# Altium PCB PCB_TEST.PcbDoc (part 4 of 6) (continued)
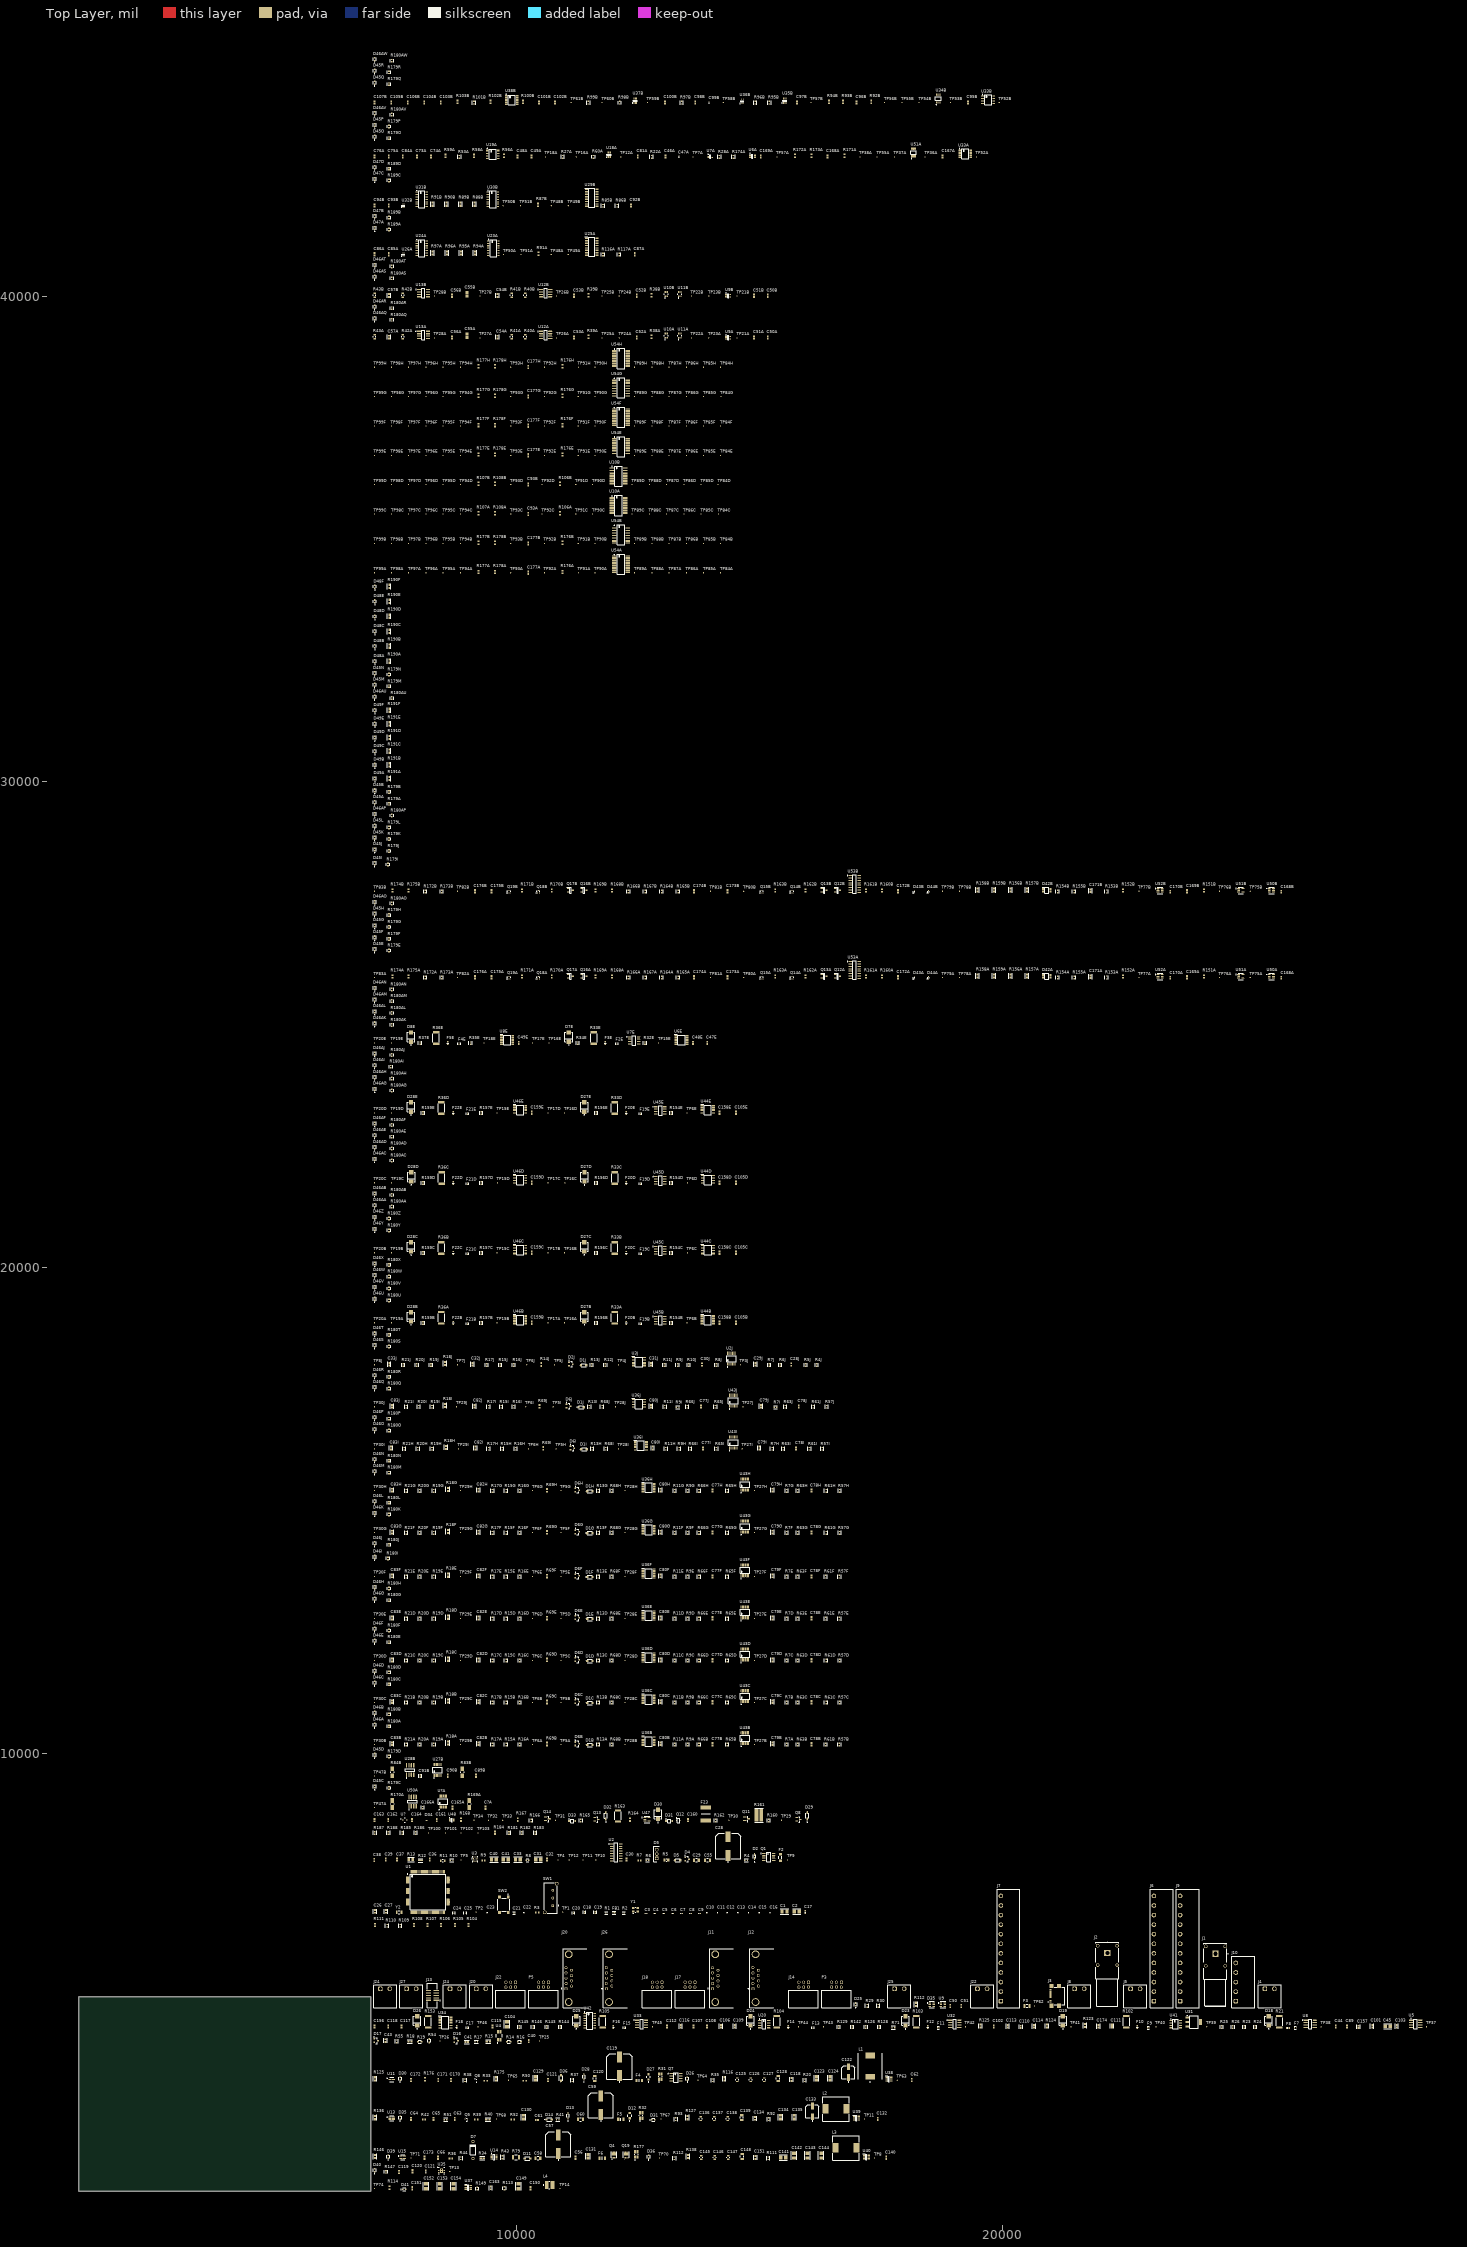
[diagram p0: Top Layer view]
## Footprints (in the part's own frame and the unit in brackets; to place one, negate y for a bottom-side part, rotate by r counter-clockwise, add the part's x,y. Pads: shape width x height; smd on the part's side, far side on the other; paste and mask are expansions set on the pad) (continued)
  silkscreen extent -4.37,-2.5 1.5,2.5, body extent -3.9,-2.75 3.9,2.75, height 0.25
FP-RK73H2E-MFG [mm]
  rect 0.9x2.3 smd paste+0 mask+0: 1(-1.55,0) 2(1.55,0)
  silkscreen extent -0.72,-1.4 0.72,1.4, body extent -2.1,-1.5 2.1,1.5, height 0.25
FP-RMCF0603-MFG [mm]
  rect 0.65x0.9 smd paste+0 mask+0: 1(-0.725,0) 2(0.725,0)
  silkscreen extent -0.85,-0.88 0.85,0.88, body extent -1.15,-0.58 1.15,0.58, height 0.25
FP-RN73R1J-IPC_B [mil]
  rect 37.62x35.91 smd paste+0 mask+0: 1(-30.52,0) 2(30.52,0)
  silkscreen extent -49,-34 49,34, body extent -59,-28 59,28, height 10
FP-RN73R2A-IPC_A [mil]
  rect 49.42x61.27 smd paste+0 mask+0: 1(-40.37,0) 2(40.37,0)
  silkscreen extent -65,-46 65,46, body extent -85,-50 85,50, height 10
FP-RNCP0603-IPC_B [mil]
  rect 45.4x35.91 smd paste+0 mask+0: 1(-25.65,0) 2(25.65,0)
  silkscreen extent -48,-34 48,34, body extent -58,-28 58,28, height 10
FP-RT0603-IPC_C [mil]
  rect 25.93x31.97 smd paste+0 mask+0: 1(-26.64,0) 2(26.64,0)
  silkscreen extent -40,-33 40,33, body extent -44,-22 44,22, height 10
FP-RT0805-MFG [mm]
  rect 0.9x1.2 smd paste+0 mask+0: 1(-1.05,0) 2(1.05,0)
  silkscreen extent -0.23,-0.67 0.23,0.67, body extent -1.6,-0.77 1.6,0.77, height 0.25
FP-RUX0012A-MFG [mm]
  rrect25% 1.05x0.4 smd paste+0 mask+0: 1(-0.675,0.35) 2(-0.675,-0.35) 7(0.675,-0.35) 8(0.675,0.35)
  rrect50% 0.2x0.6 smd paste+0 mask+0: 3(-0.75,-1.15) 4(-0.25,-1.15) 5(0.25,-1.15) 6(0.75,-1.15) 9(0.75,1.15) 10(0.25,1.15) 11(-0.25,1.15) 12(-0.75,1.15)
  silkscreen extent -1.87,-1.55 1.3,1.55, body extent -1.3,-1.55 1.3,1.55, height 0.25
FP-SF-1206FP-MFG [mm]
  rect 1.25x1.65 smd paste+0 mask+0: 1(-1.725,0) 2(1.725,0)
  silkscreen extent -0.72,-0.82 0.72,0.82, body extent -2.45,-0.92 2.45,0.92, height 0.25
FP-SMBJ-MFG [mm]
  rect 2.16x2.26 smd paste+0 mask+0: 1(-2.45,0) 2(2.45,0)
  silkscreen extent -4.22,-1.97 2.37,1.97, body extent -3.63,-2.07 3.63,2.07, height 0.25
FP-SOD123-IPC_A [mil]
  rect 61.32x29.23 smd paste+0 mask+0: 1(-66.94,0)
  rrect100% 61.32x29.23 smd paste+0 mask+0: 2(66.94,0)
  silkscreen extent -134,-31 52,31, body extent -117,-50 117,50, height 10
FP-SOD123W-MFG [mm]
  rect 1.2x1.2 smd paste-1000 mask+0: 1(-1.4,0) 2(1.4,0)
  silkscreen extent -2.85,-0.95 0.43,0.95, body extent -2.2,-1.05 2.2,1.05, height 0.25
FP-SOD323-IPC_A [mil]
  rect 63.21x18.6 smd paste+0 mask+0: 1(-43.32,0)
  rrect100% 63.21x18.6 smd paste+0 mask+0: 2(43.32,0)
  silkscreen extent -114,-26 33,26, body extent -95,-45 95,45, height 10
FP-SOT23-IPC_A [mm]
  rect 1.659x0.627 smd paste+0 mask+0: 1(-0.977,0.915)
  rrect100% 1.659x0.627 smd paste+0 mask+0: 2(-0.977,-0.915) 3(0.977,0)
  silkscreen extent 0.23,-1.45 0.65,1.45, body extent -2.31,-1.95 2.31,1.95, height 0.25
FP-SOT23-IPC_B [mm]
  rect 1.359x0.587 smd paste+0 mask+0: 1(-0.927,0.915)
  rrect100% 1.359x0.587 smd paste+0 mask+0: 2(-0.927,-0.915) 3(0.927,0)
  silkscreen extent 0.13,-1.45 0.65,1.45, body extent -1.86,-1.7 1.86,1.7, height 0.25
FP-SRP1265A-MFG [mm]
  rect 3.1x5 smd paste+0 mask+0: 1(-5.55,0) 2(5.55,0)
  silkscreen extent -7,-6.4 7,6.4, body extent -7.2,-6.5 7.2,6.5, height 0.25
FP-TNPW0603-e3-IPC_A [mil]
  rect 43.83x41.82 smd paste+0 mask+0: 1(-31.67,0) 2(31.67,0)
  silkscreen extent -54,-37 54,37, body extent -73,-41 73,41, height 10
FP-USB4110-GF-A-MFG [mm]
  rect 2.18x2 smd paste+0 mask+0: 1(-5.11,3.105) 2(5.11,3.105) 3(-5.11,-0.825) 4(5.11,-0.825)
  round 0.65 hole 0.65 unplated paste-2539.97 mask+0: 5(2.89,2.605) 6(-2.89,2.605)
  rect 0.6x1.15 smd paste+0 mask+0: A1-B12(-3.2,3.68) A4-B9(-2.4,3.68) B1-A12(3.2,3.68) B4-A9(2.4,3.68)
  rect 0.3x1.15 smd paste+0 mask+0: A5(-1.25,3.68) A6(-0.25,3.68) A7(0.25,3.68) A8(1.25,3.68) B5(1.75,3.68) B6(0.75,3.68) B7(-0.75,3.68) B8(-1.75,3.68)
  silkscreen extent -4.57,-3.83 4.57,4.99, body extent -6.3,-3.92 6.3,4.36, height 0.25
FUSC3116X70N [mm]
  rect 1.07x1.68 smd: 1(-1.43,0) 2(1.43,0)
  silkscreen extent 0,-0.67 0,0.67, body extent -1.55,-0.77 1.55,0.77, height 0.7
FUSC7451X260N [mm]
  rect 1.92x5.45 smd: 1(-3.385,0) 2(3.385,0)
  silkscreen extent 0,-2.46 0,2.46, body extent -3.8,-2.65 3.8,2.65, height 2.4
INF-PG-DSO-8-3_L [mm] "SOP, 8-Leads, Body 4.9x3.9mm, Pitch 1.27mm, IPC High Density"
  oval 1.5x0.6 smd: 1(-2.55,1.905) 2(-2.55,0.635) 3(-2.55,-0.635) 4(-2.55,-1.905) 5(2.55,-1.905) 6(2.55,-0.635) 7(2.55,0.635) 8(2.55,1.905)
  silkscreen extent -2.67,-2.5 1.4,2.88, body extent -2,-2.5 2,2.5, height 1.75
INF-PG-SOT-363_L [mm] "SOT23, 3-Leads, Body 2x1.25mm, Pitch 0.65mm, IPC High Density"
  rect 0.3x0.35 smd: 1(-1.125,0.65) 2(-1.125,0) 3(-1.125,-0.65) 4(1.125,-0.65) 5(1.125,0) 6(1.125,0.65)
  silkscreen extent -1.25,-1.1 0.6,1.5, body extent -0.67,-1.1 0.67,1.1, height 1
LT-S8-8_N [mm] "SOIC, 8-Leads, Body 4.9x3.9mm, Pitch 1.27mm, IPC Medium Density"
  oval 2.2x0.6 smd: 1(-2.4,1.905) 2(-2.4,0.635) 3(-2.4,-0.635) 4(-2.4,-1.905) 5(2.4,-1.905) 6(2.4,-0.635) 7(2.4,0.635) 8(2.4,1.905)
  silkscreen extent -2.52,-2.5 0.9,2.88, body extent -2,-2.5 2,2.5, height 1.76
LT-ST-3-SOT-223_M [mm] "SOT223, 4-Leads, Body 6.505x3.505mm, Pitch 2.3mm, IPC Low Density"
  rect 1.7x1 smd: 1(-3.45,2.3) 2(-3.45,0) 3(-3.45,-2.3)
  rect 1.7x3.25 smd: 4(3.45,0)
  silkscreen extent -3.57,-3.35 2.2,3.47, body extent -1.86,-3.35 1.86,3.35, height 1.8
LT-TS8-8-TSOT-23_V [mm] "SOT23, 8-Leads, Body 2.9x1.75mm, Pitch 0.65mm"
  rect 1.22x0.4 smd: 1(-1.31,0.975) 2(-1.31,0.325) 3(-1.31,-0.325) 4(-1.31,-0.975) 5(1.31,-0.975) 6(1.31,-0.325) 7(1.31,0.325) 8(1.31,0.975)
  silkscreen extent -1.43,-1.45 0.3,1.85, body extent -0.87,-1.45 0.88,1.45, height 1
Nexperia_SOT457_IPC_C [mm]
  rect 1.254x0.436 smd paste+0 mask+0: 1(-1.025,0.95)
  rrect100% 1.254x0.436 smd paste+0 mask+0: 2(-1.025,0) 3(-1.025,-0.95) 4(1.025,-0.95) 5(1.025,0) 6(1.025,0.95)
  silkscreen extent -2.4,-1.7 1.38,1.7, body extent -1.75,-1.55 1.75,1.55, height 0.25
ONSC-SC-75-3-463-01_V [mil] "SOT23, 3-Leads, Body 1.6x0.8mm, Pitch 0.5mm"
  rect 20x14.02 smd: 1(-25.49,19.68) 2(-25.49,-19.69) 3(25.49,0)
  silkscreen extent -27,-31 16,44, body extent -16,-31 16,31, height 35
ONSC-SOD-123-2-425-04_V [mm] "SOD, 2-Leads, Body 2.69x1.6mm"
  rect 0.91x1.22 smd: 1(-1.635,0) 2(1.635,0)
  silkscreen extent -1.76,-0.8 0.78,1.28, body extent -1.35,-0.8 1.35,0.8, height 1.35
ONSC-SOD-523-2-502-01_C_V [mm] "SOD, 2-Leads, Body 1.2x0.8mm"
  rect 0.4x0.4 smd: 1(-0.7,0) 2(0.7,0)
  silkscreen extent -0.75,-0.4 0.15,0.65, body extent -0.6,-0.4 0.6,0.4, height 0.7
ONSC-SOT-23-3-318-08_V [mm] "SOT23, 3-Leads, Body 2.92x1.3mm, Pitch 0.95mm"
  rect 0.9x0.8 smd: 1(-1,0.95) 2(-1,-0.95) 3(1,0)
  silkscreen extent -1.12,-1.46 0.65,2.02, body extent -0.65,-1.46 0.65,1.46, height 1.11
PW0014A_N [mm] "SOP, 14-Leads, Body 5.1x4.5mm, Pitch 0.65mm, IPC Medium Density"
  rrect22% 1.4x0.45 smd: 1(-2.95,1.95) 2(-2.95,1.3) 3(-2.95,0.65) 4(-2.95,0) 5(-2.95,-0.65) 6(-2.95,-1.3) 7(-2.95,-1.95) 8(2.95,-1.95) 9(2.95,-1.3) 10(2.95,-0.65) 11(2.95,0) 12(2.95,0.65) 13(2.95,1.3) 14(2.95,1.95)
  silkscreen extent -3.07,-2.55 1.85,2.85, body extent -3.21,-2.5 3.21,2.5, height 1
PW0016A_L [mm] "SOP, 16-Leads, Body 5.1x4.5mm, Pitch 0.65mm, IPC High Density"
  rrect25% 1.2x0.4 smd: 1(-2.85,2.275) 2(-2.85,1.625) 3(-2.85,0.975) 4(-2.85,0.325) 5(-2.85,-0.325) 6(-2.85,-0.975) 7(-2.85,-1.625) 8(-2.85,-2.275) 9(2.85,-2.275) 10(2.85,-1.625) 11(2.85,-0.975) 12(2.85,-0.325) 13(2.85,0.325) 14(2.85,0.975) 15(2.85,1.625) 16(2.85,2.275)
  silkscreen extent -2.97,-2.55 1.85,3.15, body extent -3.21,-2.5 3.21,2.5, height 1
RESC1608X55X25ML10T15 [mm] "Chip Resistor, 2-Leads, Body 1.70x0.90mm, IPC Low Density"
  rect 0.8x1 smd: 1(-0.75,0) 2(0.75,0)
  body extent -0.85,-0.45 0.85,0.45, height 0.55
RESC1608X55X30NL20T20 [mm] "Chip Resistor, 2-Leads, Body 1.60x0.80mm, IPC Medium Density"
  rect 0.9x1 smd: 1(-0.65,0) 2(0.65,0)
  body extent -0.9,-0.5 0.9,0.5, height 0.55
RESC1609X50X30ML08T20 [mm] "Chip Resistor, 2-Leads, Body 1.65x0.95mm, IPC Low Density"
  rect 0.9x1.05 smd: 1(-0.7,0) 2(0.7,0)
  body extent -0.82,-0.48 0.82,0.48, height 0.5
RESC1609X55X30NL10T20 [mm] "Chip Resistor, 2-Leads, Body 1.60x0.85mm, IPC Medium Density"
  rect 0.95x0.95 smd: 1(-0.725,0) 2(0.725,0)
  body extent -0.85,-0.48 0.85,0.48, height 0.55
RESC2013X50X30ML20T20 [mm] "Chip Resistor, 2-Leads, Body 2.00x1.25mm, IPC Low Density"
  rect 1.25x1.55 smd: 1(-1.025,0) 2(1.025,0)
  silkscreen extent -0.1,-0.67 0.1,0.67, body extent -1.1,-0.72 1.1,0.72, height 0.5
SOD123W [mm]
  rect 1.2x1.2 smd: 1(-1.4,0) 2(1.4,0)
  silkscreen extent -2.25,-0.85 1.3,0.85, body extent -1.72,-1 1.78,1, height 1.07
SOIC127P600X175-16N [mm]
  rect 1.55x0.7 smd: 1(-2.725,4.445) 2(-2.725,3.175) 3(-2.725,1.905) 4(-2.725,0.635) 5(-2.725,-0.635) 6(-2.725,-1.905) 7(-2.725,-3.175) 8(-2.725,-4.445) 9(2.725,-4.445) 10(2.725,-3.175) 11(2.725,-1.905) 12(2.725,-0.635) 13(2.725,0.635) 14(2.725,1.905) 15(2.725,3.175) 16(2.725,4.445)
  silkscreen extent -3.5,-4.95 1.6,5.15, body extent -3,-4.93 3,4.97, height 1.56
SOP65P400X130-8N [mm]
  rect 1.1x0.45 smd: 1(-1.95,0.975) 2(-1.95,0.325) 3(-1.95,-0.325) 4(-1.95,-0.975) 5(1.95,-0.975) 6(1.95,-0.325) 7(1.95,0.325) 8(1.95,0.975)
  silkscreen extent -2.5,-1.48 1.05,1.55, body extent 0,0 0,0
SOP65P640X110-16N [mm]
  rect 1.475x0.45 smd: 1(-2.938,2.275) 2(-2.938,1.625) 3(-2.938,0.975) 4(-2.938,0.325) 5(-2.938,-0.325) 6(-2.938,-0.975) 7(-2.938,-1.625) 8(-2.938,-2.275) 9(2.938,-2.275) 10(2.938,-1.625) 11(2.938,-0.975) 12(2.938,-0.325) 13(2.938,0.325) 14(2.938,0.975) 15(2.938,1.625) 16(2.938,2.275)
  silkscreen extent -3.67,-2.5 1.85,2.85, body extent -3.21,-2.5 3.21,2.5, height 0.98
SOP65P640X120-16N [mm]
  rect 1.475x0.45 smd: 1(-2.938,2.275) 2(-2.938,1.625) 3(-2.938,0.975) 4(-2.938,0.325) 5(-2.938,-0.325) 6(-2.938,-0.975) 7(-2.938,-1.625) 8(-2.938,-2.275) 9(2.938,-2.275) 10(2.938,-1.625) 11(2.938,-0.975) 12(2.938,-0.325) 13(2.938,0.325) 14(2.938,0.975) 15(2.938,1.625) 16(2.938,2.275)
  silkscreen extent -3.67,-2.5 1.85,2.85, body extent -3.2,-2.5 3.2,2.5, height 1.13
SOP65P640X120-20N [mm]
  rect 1.475x0.45 smd: 1(-2.938,2.925) 2(-2.938,2.275) 3(-2.938,1.625) 4(-2.938,0.975) 5(-2.938,0.325) 6(-2.938,-0.325) 7(-2.938,-0.975) 8(-2.938,-1.625) 9(-2.938,-2.275) 10(-2.938,-2.925) 11(2.938,-2.925) 12(2.938,-2.275) 13(2.938,-1.625) 14(2.938,-0.975) 15(2.938,-0.325) 16(2.938,0.325) 17(2.938,0.975) 18(2.938,1.625) 19(2.938,2.275) 20(2.938,2.925)
  silkscreen extent -3.67,-3.25 1.85,3.5, body extent -3.2,-3.25 3.2,3.25, height 1.2
SOT95P280X110-6N [mm]
  rect 1.25x0.6 smd: 1(-1.25,0.95) 2(-1.25,0) 3(-1.25,-0.95) 4(1.25,-0.95) 5(1.25,0) 6(1.25,0.95)
  silkscreen extent -1.88,-1.45 0.28,1.6, body extent -1.4,-1.45 1.4,1.45, height 0.97
SOT95P280X125-3N [mm]
  rect 1.2x0.6 smd: 1(-1.25,0.95) 2(-1.25,-0.95) 3(1.25,0)
  silkscreen extent -1.85,-1.48 0.3,1.5, body extent -1.4,-1.48 1.4,1.48, height 1.25
SOTFL50P160X60-6N [mm]
  rect 0.475x0.3 smd: 1(-0.838,0.5) 2(-0.838,0) 3(-0.838,-0.5) 4(0.838,-0.5) 5(0.838,0) 6(0.838,0.5)
  silkscreen extent -1.07,-0.8 0.25,0.9, body extent -0.8,-0.8 0.8,0.8, height 0.6
SRP1265A [mm]
  rect 3.1x5 smd: 1(-5.55,0) 2(5.55,0)
  silkscreen extent -8.45,-6.25 6.75,6.25, body extent -6.8,-6.25 6.7,6.25, height 6.2
SSOP-SS28_M [mm] "SOP, 28-Leads, Body 10.2x5.2mm, Pitch 0.65mm, IPC Low Density"
  oval 2.4x0.45 smd: 1(-3.5,4.225) 2(-3.5,3.575) 3(-3.5,2.925) 4(-3.5,2.275) 5(-3.5,1.625) 6(-3.5,0.975) 7(-3.5,0.325) 8(-3.5,-0.325) 9(-3.5,-0.975) 10(-3.5,-1.625) 11(-3.5,-2.275) 12(-3.5,-2.925) 13(-3.5,-3.575) 14(-3.5,-4.225) 15(3.5,-4.225) 16(3.5,-3.575) 17(3.5,-2.925) 18(3.5,-2.275) 19(3.5,-1.625) 20(3.5,-0.975) 21(3.5,-0.325) 22(3.5,0.325) 23(3.5,0.975) 24(3.5,1.625) 25(3.5,2.275) 26(3.5,2.925) 27(3.5,3.575) 28(3.5,4.225)
  silkscreen extent -3.62,-5.25 1.9,5.25, body extent -2.8,-5.25 2.8,5.25, height 2
STM-LQFP144_N [mm] "Thin QFP, 144-Leads, Body 20x20mm, Pitch 0.5mm, IPC Medium Density"
  oval 1.8x0.3 smd: 1(-10.55,8.75) 2(-10.55,8.25) 3(-10.55,7.75) 4(-10.55,7.25) 5(-10.55,6.75) 6(-10.55,6.25) 7(-10.55,5.75) 8(-10.55,5.25) 9(-10.55,4.75) 10(-10.55,4.25) 11(-10.55,3.75) 12(-10.55,3.25) 13(-10.55,2.75) 14(-10.55,2.25) 15(-10.55,1.75) 16(-10.55,1.25) 17(-10.55,0.75) 18(-10.55,0.25) 19(-10.55,-0.25) 20(-10.55,-0.75) 21(-10.55,-1.25) 22(-10.55,-1.75) 23(-10.55,-2.25) 24(-10.55,-2.75) 25(-10.55,-3.25) 26(-10.55,-3.75) 27(-10.55,-4.25) 28(-10.55,-4.75) 29(-10.55,-5.25) 30(-10.55,-5.75) 31(-10.55,-6.25) 32(-10.55,-6.75) 33(-10.55,-7.25) 34(-10.55,-7.75) 35(-10.55,-8.25) 36(-10.55,-8.75) 73(10.55,-8.75) 74(10.55,-8.25) 75(10.55,-7.75) 76(10.55,-7.25) 77(10.55,-6.75) 78(10.55,-6.25) 79(10.55,-5.75) 80(10.55,-5.25) 81(10.55,-4.75) 82(10.55,-4.25) 83(10.55,-3.75) 84(10.55,-3.25) 85(10.55,-2.75) 86(10.55,-2.25) 87(10.55,-1.75) 88(10.55,-1.25) 89(10.55,-0.75) 90(10.55,-0.25) 91(10.55,0.25) 92(10.55,0.75) 93(10.55,1.25) 94(10.55,1.75) 95(10.55,2.25) 96(10.55,2.75) 97(10.55,3.25) 98(10.55,3.75) 99(10.55,4.25) 100(10.55,4.75) 101(10.55,5.25) 102(10.55,5.75) 103(10.55,6.25) 104(10.55,6.75) 105(10.55,7.25) 106(10.55,7.75) 107(10.55,8.25) 108(10.55,8.75)
  oval 0.3x1.8 smd: 37(-8.75,-10.55) 38(-8.25,-10.55) 39(-7.75,-10.55) 40(-7.25,-10.55) 41(-6.75,-10.55) 42(-6.25,-10.55) 43(-5.75,-10.55) 44(-5.25,-10.55) 45(-4.75,-10.55) 46(-4.25,-10.55) 47(-3.75,-10.55) 48(-3.25,-10.55) 49(-2.75,-10.55) 50(-2.25,-10.55) 51(-1.75,-10.55) 52(-1.25,-10.55) 53(-0.75,-10.55) 54(-0.25,-10.55) 55(0.25,-10.55) 56(0.75,-10.55) 57(1.25,-10.55) 58(1.75,-10.55) 59(2.25,-10.55) 60(2.75,-10.55) 61(3.25,-10.55) 62(3.75,-10.55) 63(4.25,-10.55) 64(4.75,-10.55) 65(5.25,-10.55) 66(5.75,-10.55) 67(6.25,-10.55) 68(6.75,-10.55) 69(7.25,-10.55) 70(7.75,-10.55) 71(8.25,-10.55) 72(8.75,-10.55) 109(8.75,10.55) 110(8.25,10.55) 111(7.75,10.55) 112(7.25,10.55) 113(6.75,10.55) 114(6.25,10.55) 115(5.75,10.55) 116(5.25,10.55) 117(4.75,10.55) 118(4.25,10.55) 119(3.75,10.55) 120(3.25,10.55) 121(2.75,10.55) 122(2.25,10.55) 123(1.75,10.55) 124(1.25,10.55) 125(0.75,10.55) 126(0.25,10.55) 127(-0.25,10.55) 128(-0.75,10.55) 129(-1.25,10.55) 130(-1.75,10.55) 131(-2.25,10.55) 132(-2.75,10.55) 133(-3.25,10.55) 134(-3.75,10.55) 135(-4.25,10.55) 136(-4.75,10.55) 137(-5.25,10.55) 138(-5.75,10.55) 139(-6.25,10.55) 140(-6.75,10.55) 141(-7.25,10.55) 142(-7.75,10.55) 143(-8.25,10.55) 144(-8.75,10.55)
  silkscreen extent -10.67,-9.25 9.25,9.57, body extent -10,-10 10,10, height 1.6
TECO-1825255-1_V [mm] "THD, 5-Leads, Body 6.7x16mm, Pitch 4mm"
  rect 1.4x1.4 hole 0.9: 1(-4,-1.1)
  round 1.4 hole 0.9: 2(0,-1.1) 3(4,-1.1)
  round 1.9 hole 1.4: MH1(-7.5,3.1) MH2(7.5,-3.1)
  silkscreen extent -8,-4.13 8,3.35, body extent -8,-3.35 8,3.35, height 12
TO229P280X780X1410-3P [mm]
  rect 1.845x1.845 hole 1.23: 1(0,0)
  round 1.845 hole 1.23: 2(2.29,0) 3(4.58,0)
  silkscreen extent -1.81,-1.32 6.39,1.49, body extent 0,0 0,0
TP06R [mm] "Testpoint, round, d=0.6mm"
  round 0.6 smd paste-1: 1(0,0)
VLS4015CX100MH [mm]
  rect 1.9x4 smd: 1(-1.55,0) 2(1.55,0)
  silkscreen extent -3.2,-2 0.2,2, body extent -2,-2.01 2,2.01, height 1.5

## Part data
C1 C2 C31 C33 C40 C41 C45 C104 C141 C142 C143 C144 C149 C152 C153 C154: library part CMP-001-00110-1, "Ceramic Capacitor, Multilayer, Ceramic, 25V, 10% +Tol, 10% -Tol, X7S, 22% TC, 10uF, Surface Mount, 1206", Case/Package=1206, Max Operating Temperature=125°C, Min Operating Temperature=-55°C, Tolerance=10%, Voltage Rating=25V, Mounting Technology="Surface Mount"
C3 C4 C5 C6 C7 C8 C9 C10 C11 C12 C13 C14 C15 C16 C23 C47A C99B: library part CMP-001-00061-3, "Chip Capacitor, 100nF +/-20%, 10V, 0402, Thickness 0.6 mm", Case/Package=0402, Max Operating Temperature=85°C, Min Operating Temperature=-55°C, Tolerance=20%, Voltage Rating=10V, Mounting Technology=SMT, Pins=2
C17 C121: library part CMP-001-00076-4, "Chip Capacitor, 4.7µF +/-20%, 10V, 0603, Thickness 1 mm", Case/Package=0603, Max Operating Temperature=85°C, Min Operating Temperature=-55°C, Tolerance=10%, Voltage Rating=10V, Mounting Technology=SMT, Pins=2
C18 C19: library part CMP-001-00111-1, "CAP, 14PF, 50V, MLCC, 0402; Available until stocks are exhausted Alternative available", Case/Package=0402, Max Operating Temperature=125°C, Min Operating Temperature=-55°C, Tolerance=2%, Voltage Rating=50V, Mounting Technology="Surface Mount"
C20 C21: library part CMP-001-00105-1, "Ceramic Capacitor, Multilayer, Ceramic, 16V, 20% +Tol, 20% -Tol, X5R, 15% TC, 1uF, Surface Mount, 0402", Case/Package=0402, Max Operating Temperature=85°C, Min Operating Temperature=-55°C, Tolerance=20%, Voltage Rating=16V, Mounting Technology="Surface Mount"
C22: library part CMP-001-00069-3, "Chip Capacitor, 10nF +/-20%, 50V, 0402, Thickness 0.6 mm", Case/Package=0402, Max Operating Temperature=85°C, Min Operating Temperature=-55°C, Tolerance=5%, Voltage Rating=50V, Mounting Technology=SMT, Pins=2
C24 C25: library part CMP-001-00106-1, "16V 2.2uF X5R ±20% 0402 Multilayer Ceramic Capacitors MLCC - SMD/SMT ROHS", Case/Package=0402, Max Operating Temperature=85°C, Min Operating Temperature=-55°C, Voltage Rating=16V, Mounting Technology="Surface Mount"
C26 C27: library part CMP-001-00087-1, "Multilayer Ceramic Capacitors MLCC - SMD/SMT 16V 2pF 0603 C0G 0.5pF", Case/Package=0603, Max Operating Temperature=125°C, Min Operating Temperature=-55°C, Voltage Rating=16V, Mounting Technology="Surface Mount"
C28 C57 C59 C119: library part CMP-001-00104-1, "Cap Aluminum 100uF 100V 20% (12.5 X 13.5mm) SMD 450mA 5000h 105°C T/R", Case/Package=SMD/SMT, Max Operating Temperature=105°C, Min Operating Temperature=-40°C, Ripple Current=450mA, Tolerance=20%, Voltage Rating=100V, Mounting Technology="Surface Mount", Pins=2, Ripple Current (AC)=450mA
C28J C30 C30J C32 C36 C37 C39 C40 C44 C46A C47E C48A C48E C49A C49E C50A C50B C51A C51B C52A C52B C53A C53B C56 C56A C56B C61 C62 C63 C64 C65 C66 C73A C74A C75A C76A C77B C77C C77D C77E C77F C77G C77H C77I C77J C78B C78C C78D C78E C78F C78G C78H C78I C78J C81A C84A C85A C86A C87A C89 C89B C90B C92B C93A C93B C93B C94B C95B C96B C97B C98B C100B C101B C102 C102B C103B C104B C105B C105B C105C C105D C105E C106B C107 C107B C108 C112 C115 C117 C118 C120 C121 C132 C140 C150 C151 C156 C158B C158C C158D C158E C159B C159C C159D C159E C160 C161 C162 C163 C164 C165A C167A C168A C169A C169A C169B C170 C171 C172 C172A C172B C173 C173A C173B C174A C174B C175A C175B C176A C176B C177A C177B C177E C177F C177G C177H C?A: library part CMP-001-00017-6, "Chip Capacitor, 100 nF, +/- 10%, 50 V, 0603 (1608 Metric)", Capacitor Type=Ceramic, Case/Package=0603, Max Operating Temperature=125°C, Min Operating Temperature=-55°C, Tolerance=10%, Voltage Rating=50V, Mounting Technology=SM, Pins=2, RoHS Compliant=True
C29 C55 C58 C60 C120 C128 C139 C148: library part CMP-001-00103-1, "100V 100nF C0G ±5% 1206 Multilayer Ceramic Capacitors MLCC - SMD/SMT ROHS", Case/Package=1206, Max Operating Temperature=125°C, Min Operating Temperature=-55°C, Tolerance=5%, Voltage Rating=100V, Mounting Technology="Surface Mount"
C29J C31J C32J C33J C54A C54B C57A C57B C79B C79C C79D C79E C79F C79G C79H C79I C79J C80B C80C C80D C80E C80F C80G C80H C80I C80J C82B C82C C82D C82E C82F C82G C82H C82I C82J C83B C83C C83D C83E C83F C83G C83H C83I C83J: library part CMP-001-00116-1, "Ceramic Capacitor, Multilayer, Ceramic, 16V, 10% +Tol, 10% -Tol, X7R, 15% TC, 0.001uF, Surface Mount, 0603", Case/Package=0603, Dielectric=X7R, Dielectric Material=Ceramic, Max Operating Temperature=125°C, Min Operating Temperature=-55°C, Temperature Coefficient=30ppm/°C, Voltage Rating=16V, China RoHS=Compliant, Country of Origin=Mexico, Export Control Classification Number (ECCN) Code=EAR99, Harmonized Tariff Schedule (HTS) Code=8532.24.00.20, Height=800µm, Introduction Date=2012-02-16, Length=1.6mm, Lifecycle Status=Production, Material=Ceramic, Mounting Technology="Surface Mount", Number of Terminals=2, REACH SVHC=Yes, RoHS=Compliant, Voltage Rating (DC)=16V, Width=800µm
C38 C50 C119: library part CMP-001-00124-1, "Ceramic Capacitor, Multilayer, Ceramic, 25V, 20% +Tol, 20% -Tol, X5R, 15% TC, 1uF, Surface Mount, 0603", Case Code (Imperial)=0603, Case Code (Metric)=1608, Dielectric=X5R, Dielectric Material=Ceramic, Max Operating Temperature=85°C, Min Operating Temperature=-55°C, Tolerance=20%, Voltage Rating=25V, Case/Package=0603, China RoHS=Compliant, Country of Origin=Mexico, Dissipation Factor=5%, Export Control Classification Number (ECCN) Code=EAR99, Harmonized Tariff Schedule (HTS) Code=8532.24.00.20, Height=800µm, Introduction Date=2008-01-10, Lead Free="Lead Free", Length=1.6mm, Lifecycle Status=Production, Mounting Technology="Surface Mount", Number of Terminals=2, Packaging="Cut Tape", REACH SVHC=Yes, RoHS=Compliant, Schedule B="8532240020, 8532240020", Termination=SMD/SMT, Thickness=863.6µm, Voltage Rating (DC)=25V, Width=800µm
C41 C43: library part CMP-001-00113-1, "Ceramic Capacitor, Multilayer, Ceramic, 10V, 10% +Tol, 10% -Tol, X7R, 15% TC, 0.01uF, Surface Mount, 0603", Case/Package=0603, Max Operating Temperature=125°C, Min Operating Temperature=-55°C, Tolerance=10%, Voltage Rating=10V, Mounting Technology="Surface Mount"
C51: library part CMP-001-00109-1, "0603 1 uF 16 V -20 / +80% Tolerance Y5V SMT Multilayer Ceramic Capacitor", Case/Package=0603, Max Operating Temperature=85°C, Min Operating Temperature=-30°C, Tolerance=80%, Voltage Rating=16V, Mounting Technology="Surface Mount"
C55A C55B: library part CMP-001-00130-1, "Cap Tant Solid 2.2uF 10V R CASE 20% (2.05 X 1.3 X 1.2mm) Inward L SMD 2012-12 15 Ohm 125C T/R", Case Code (Imperial)=0805, Case Code (Metric)=2012, ESR (Equivalent Series Resistance)=15Ω, Leakage Current=500nA, Manufacturer Package Identifier="0805 (2012 metric)", Max Operating Temperature=125°C, Min Operating Temperature=-55°C, Ripple Current=24mA, Tolerance=20%, Voltage Rating=10V, Case/Package=0805, China RoHS=Compliant, Country of Origin="Czechia, El Salvador", Depth=1.3mm, Dissipation Factor=6%, Export Control Classification Number (ECCN) Code=EAR99, Features="General Purpose", Harmonized Tariff Schedule (HTS) Code=8532.21.00.50, Height=1.2mm, Height - Seated (Max)=1.1938mm, Introduction Date=2005-08-25, Lead Free="Lead Free", Length=2.05mm, Life (Hours)=2000hours, Lifecycle Status=Production, Mounting Technology="Surface Mount", Number of Terminals=2, Pins=2, Polarity=Polar, Radiation Hardening=No, REACH SVHC=Yes, RoHS=Compliant, Schedule B=8532210050, Termination=SMD/SMT, Voltage Rating (DC)=10V, Width=1.3mm
C91B C166A: library part CMP-1035-02198-2, "C0603 4,700 pF C0G 30ppm/°C 10.00% 25 V", Capacitance="4,700 pF", Manufacturer=KEMET, Manufacturer Part Number=C0603C472K3GACTU, Package=C0603C-CF, Temperature="-55°C to +125°C", Temperature Characteristic=C0G, Temperature Coefficient=30ppm/°C, Temperature Range High=+125°C, Temperature Range Low=-55°C, Tolerance=0.1, Voltage Rating="25 V", Automotive=Yes, Automotive Grade="Grade 1", Category=Cap, ComponentLink2Description=Datasheet, ComponentLink2URL=https://api.kemet.com/component-edge/download/datasheet/C0603C100J5GACAUTO.pdf, Device Class L1="Passive Components", Device Class L2=Capacitors, Device Class L3="Ceramic Capacitors", Height=0.87mm, Lead Free=Yes, Material=Ceramic, Mouser Description="Cap Ceramic 0.0047uF 25V C0G 10% SMD 0603 125°C Punched Paper T/R", Octopart=https://octopart.com/c0603c472k3gactu-kemet-20067470, RoHS=TRUE
C101: library part CMP-001-00091-1, "Ceramic Capacitor, Multilayer, Ceramic, 50V, 5% +Tol, 5% -Tol, X7R, 15% TC, 0.01uF, Surface Mount, 0603", Case/Package=0603, Max Operating Temperature=125°C, Min Operating Temperature=-55°C, Tolerance=5%, Voltage Rating=50V, Mounting Technology="Surface Mount"
C103 C106 C109 C113 C114 C116 C174: library part CMP-001-00123-1, "50V 1uF X7R ±10% 0603 Multilayer Ceramic Capacitors MLCC - SMD/SMT ROHS", Case Code (Imperial)=0603, Case Code (Metric)=1608, Dielectric=X7R, Dielectric Material=Ceramic, Max Operating Temperature=125°C, Min Operating Temperature=-55°C, Tolerance=10%, Voltage Rating=50V, Case/Package=0603, China RoHS=Compliant, Composition=Ceramic, Country of Origin="Mainland China, Taiwan", Export Control Classification Number (ECCN) Code=EAR99, Halogen Free="Halogen Free", Harmonized Tariff Schedule (HTS) Code=8532.24.00.20, Height=800µm, Introduction Date=2014-07-08, Lead Free="Lead Free", Length=1.6mm, Lifecycle Status=Production, Material=Ceramic, Mounting Technology="Surface Mount", Number of Terminals=2, Packaging="Tape & Reel (TR)", REACH SVHC=Yes, RoHS=Compliant, Schedule B="8532240020, 8532240020", Termination=SMD/SMT, Thickness=889µm, Voltage Rating (DC)=50V, Weight=2.012816mg, Width=800µm
C110: library part CMP-001-00121-1, "35V 10uF X5R ±20% 0603 Multilayer Ceramic Capacitors MLCC - SMD/SMT ROHS", Case Code (Imperial)=0603, Case Code (Metric)=1608, Dielectric=X5R, Dielectric Material=Ceramic, Manufacturer Lifecycle Status="IN PRODUCTION", Max Operating Temperature=85°C, Min Operating Temperature=-55°C, Tolerance=20%, Voltage Rating=35V, Case/Package=0603, Height=800µm, Length=1.6mm, Lifecycle Status=Production, Material=Ceramic, Mounting Technology="Surface Mount", Number of Terminals=2, REACH SVHC=Yes, RoHS=Compliant, Schedule B="8532240020, 8532240020", Thickness=800µm, Voltage Rating (DC)=35V, Width=800µm
C111: library part CMP-001-00119-1, "Multilayer Ceramic Capacitors MLCC - SMD/SMT 50V 2.2uF X5R 0603 10% HI CV", Case/Package=0603, Dielectric=X5R, Dielectric Material=Ceramic, Max Operating Temperature=85°C, Min Operating Temperature=-55°C, Tolerance=10%, Voltage Rating=50V, China RoHS=Compliant, Country of Origin="Mainland China, Taiwan", Export Control Classification Number (ECCN) Code=EAR99, Halogen Free="Halogen Free", Harmonized Tariff Schedule (HTS) Code=8532.24.00.20, Height=800µm, Introduction Date=2017-06-16, Lead Free="Lead Free", Length=1.6mm, Lifecycle Status=Production, Material=Ceramic, Mounting Technology="Surface Mount", Number of Terminals=2, REACH SVHC=Yes, RoHS=Compliant, Voltage Rating (DC)=50V, Width=800µm
C118 C134 C151 C163 C171A C171B: library part CMP-001-00115-1, "Multilayer Ceramic Capacitors MLCC - SMD/SMT 50V 100pF X8R 0603 1%", Case/Package=0603, Dielectric=X8R, Dielectric Material=Ceramic, Max Operating Temperature=150°C, Min Operating Temperature=-55°C, Temperature Coefficient=30ppm/°C, Voltage Rating=50V, China RoHS=Compliant, Country of Origin=Mexico, Export Control Classification Number (ECCN) Code=EAR99, Harmonized Tariff Schedule (HTS) Code=8532.24.00.20, Height=800µm, Introduction Date=2017-10-02, Lead Free="Lead Free", Length=1.6mm, Lifecycle Status=Production, Material=Ceramic, Mounting Technology="Surface Mount", Number of Terminals=2, REACH SVHC=Yes, RoHS=Compliant, Schedule B="8532240020, 8532240020", Voltage Rating (DC)=50V, Width=800µm
C122 C133: library part CMP-001-00122-1, "Cap Aluminum Polymer 10uF 50VDC 20%( 6.3 X 5.9mm) SMD 0.04 Ohm 2500mA 5000h 105C T/R", Case/Package=Radial, Max Operating Temperature=105°C, Min Operating Temperature=-55°C, Ripple Current=125mA, Ripple Current (AC)=2.5A, Tolerance=20%, Voltage Rating=50V, Mounting Technology="Surface Mount", Pins=6
C123 C124 C129 C130 C131 C134 C135: library part CMP-001-00126-1, "50V 4.7uF X5R ±20% 0805 Multilayer Ceramic Capacitors MLCC - SMD/SMT ROHS", Case/Package=0805, Max Operating Temperature=85°C, Min Operating Temperature=-55°C, Tolerance=20%, Voltage Rating=50V, Mounting Technology="Surface Mount"
C125 C126 C127 C136 C137 C138 C145 C146 C147: library part CMP-001-00112-1, "Ceramic Capacitor, Multilayer, Ceramic, 100V, 10% +Tol, 10% -Tol, X7S, 22% TC, 1uF, Surface Mount, 0805", Case/Package=0805, Max Operating Temperature=125°C, Min Operating Temperature=-55°C, Tolerance=10%, Voltage Rating=100V, Mounting Technology="Surface Mount"
C157: library part CMP-001-00131-1, "25V 4.7uF X5R ±10% 0603 Multilayer Ceramic Capacitors MLCC - SMD/SMT ROHS", Case/Package=0603, Dielectric=X5R, Dielectric Material=Ceramic, Max Operating Temperature=85°C, Min Operating Temperature=-55°C, Tolerance=10%, Voltage Rating=25V, Country of Origin=Philippines, Export Control Classification Number (ECCN) Code=EAR99, Harmonized Tariff Schedule (HTS) Code=8532.24.00.20, Height=800µm, Introduction Date=2013-01-29, Length=1.6mm, Lifecycle Status=Production, Material=Ceramic, Mounting Technology="Surface Mount", Number of Terminals=2, REACH SVHC=Yes, RoHS=Compliant, Thickness=800µm, Voltage Rating (DC)=25V, Width=800µm
C168A C168B C170A C170B: library part CMP-001-00005-6, "Chip Capacitor, 1 uF, +/- 10%, 25 V, 0603 (1608 Metric)", Capacitor Type=Ceramic, Case/Package=0603, Max Operating Temperature=125°C, Min Operating Temperature=-55°C, Tolerance=10%, Voltage Rating=25V, Mounting Technology=SM, Pins=2, RoHS Compliant=True
D1B D1C D1D D1E D1F D1G D1H D1I D1J D1J D5 D11 D14 D36: "Diode ESD (Uni-directional)", Manufacturer_Name=Nexperia, Mouser Part Number=771-PTVS58VS1UR115, Arrow Part Number=PTVS58VS1UR,115, Arrow Price/Stock=https://www.arrow.com/en/products/ptvs58vs1ur115/nexperia?region=nac, Datasheet Link=https://assets.nexperia.com/documents/data-sheet/PTVSXS1UR_SER.pdf, Manufacturer_Part_Number=PTVS58VS1UR,115, Mouser Price/Stock=https://www.mouser.co.uk/ProductDetail/Nexperia/PTVS58VS1UR115?qs=GcY6OjH1zdlZ9KxX1lUXCw%3D%3D
D2 D13 D28: library part CMP-004-00045-1, "BZT52C15S Series 200 mW 15 V 10 mA Surface Mount Zener Diode - SOD-323", Forward Current=10mA, Forward Voltage=900mV, Max Operating Temperature=150°C, Min Operating Temperature=-65°C, Mounting Technology="Surface Mount", Pins=2
D2J D6B D6C D6D D6E D6F D6G D6H D6I D6J D16 D17: library part CMP-004-00056-1, "Diode Standard Recovery Rectifier 85 Volt 0.16A 3-Pin SOT-23 Tape and Reel", Case/Package=SOT-23, Forward Current=150mA, Forward Voltage=900mV, Max Operating Temperature=150°C, Max Surge Current=4A, Min Operating Temperature=-65°C, Mounting Technology="Surface Mount", Pins=3
D4: library part CMP-004-00047-1, "Diode, Zener, Vr 47V, If 10MA, Pkg SOT-23 (TO-236), Vf 0.9V, Cj 40PF, Tj +150C, Ir 2MA", Case/Package=SOT-23-3, Forward Voltage=900mV, Max Operating Temperature=150°C, Min Operating Temperature=-65°C, Pins=3
D5: "Integrated Circuit", Manufacturer_Name=LITTELFUSE, Mouser Part Number=863-C106MG, Arrow Part Number=C106MG, Arrow Price/Stock=https://www.arrow.com/en/products/c106mg/littelfuse?utm_currency=USD&region=europe, Datasheet Link=https://m.littelfuse.com/~/media/electronics/datasheets/switching_thyristors/littelfuse_thyristor_c106_d_datasheet.pdf.pdf, Height=2.8mm, Manufacturer_Part_Number=C106MG, Mouser Price/Stock=https://www.mouser.co.uk/ProductDetail/Littelfuse/C106MG?qs=sK5eIuwOod7zMKL78CI8oQ%3D%3D
D7: library part CMP-004-00059-1, "1N4751 Series 1 W 30 V 5 uA Axial Through Hole Zener Diode - DO-41", Case/Package=DO-41-2, Max Operating Temperature=200°C, Min Operating Temperature=-65°C, Mounting Technology="Through Hole", Pins=2
D7E D8E D18 D19 D23 D24 D25 D26 D27B D27C D27D D27E D28B D28C D28D D28E D30: library part CMP-08607-000081-1, "TVS DIODE 28V 45.4V DO214AA", Breakdown Voltage=31.1V, Clamping Voltage=45.4V, Manufacturer="Littelfuse Inc", Max Junction Temp=+150°C, Package=SMBJ, Peak Pulse Current=13.3A, Peak Pulse Power=600W, Reverse Standoff Voltage=28V, Temperature="-65°C to +150°C", Temperature Range Low=-65°C, Automotive=No, Category=Diode, ComponentLink2Description=Datasheet, ComponentLink2URL=https://www.littelfuse.com/~/media/electronics/datasheets/tvs_diodes/littelfuse_tvs_diode_smbj_datasheet.pdf.pdf, Device Class L1="Circuit Protection", Device Class L2="TVS Diodes", Device Class L3=unset, Digikey Description="TVS DIODE 28V 45.4V DO214AA", Direction=Unidirectional, Height=2.61mm, Lead Free=Yes, Manufacturer Part Number=SMBJ28A, Mouser Description="Littelfuse SMBJ28A, Uni-Directional TVS Diode, 600W, 2-Pin DO-214AA", Number Of Channels=1, Octopart=https://octopart.com/smbj28a-littelfuse-350790, RoHS=TRUE, Temperature Range High=+150°C
D12 D27: library part CMP-004-00064-1, "PMEG6020 Series 60 V 2 A SMT Llow VF MEGA Schottky Barrier Rectifier - SOD-123W", Forward Current=2A, Forward Voltage=530mV, Max Operating Temperature=150°C, Min Operating Temperature=-55°C, Pins=2
D25 D45A D45B D45C D45D D45E D45F D45G D45H D45I D45J D45K D45L D45M D45N D45O D45P D45Q D45R D47A D47B D47C D47D: library part CMP-007-00038-1, "LED yellow green 0603 wavelength 567.5~576.5nm light intensity 4.5~28mcd Front Mounting", Case Code (Imperial)=0603, Case Code (Metric)=1608, Color=Green, Forward Current=30mA, Forward Voltage=1.9V, Illumination Color="Green, Yellow", Lens Color="Clear, Colorless", Max Operating Temperature=85°C, Min Operating Temperature=-55°C, Power Dissipation=50mW, Power Rating=75mW, Reverse Voltage=5V, Test Current=5mA, Case/Package=0603, China RoHS=Compliant, Country of Origin="Mainland China, Thailand", Depth=800µm, Dominant Wavelength=576.5nm, Export Control Classification Number (ECCN) Code=EAR99, Harmonized Tariff Schedule (HTS) Code=8541.40.20.00, Height=350µm, Introduction Date=2007-03-15, Lead Free="Lead Free", Length=1.6mm, Lens Style="Clear, Colorless, Diffused, Rectangular", Lens Transparency=Clear, Lifecycle Status=Production, Luminous Intensity=16.25mcd, Manufacturer Package Identifier=LTST-C193KGKT-5A, Mounting Technology="Surface Mount", Number of Circuits=1, Number of Elements=1, Number of LEDs=1, Number of Terminals=2, Peak Wavelength=574nm, Pins=2, Radiation Hardening=No, REACH SVHC=Yes, RoHS=Compliant, Schedule B="8541402000, 8541402000", Shape=Rectangular, Terminal Pitch=1.5mm, Viewing Angle=130°, Wavelength=571nm, Width=800µm
D26 D30 D31 D35 D36 D39 D40 D41: library part CMP-007-00044-1, "LED yellow 0603 wavelength 587~594.5nm light intensity 7.1~45mcd Front Mounting", Case Code (Imperial)=0603, Case Code (Metric)=1608, Color=Yellow, Forward Current=30mA, Forward Voltage=2.3V, Lens Color="Clear, Colorless", Max Operating Temperature=85°C, Min Operating Temperature=-55°C, Power Dissipation=50mW, Reverse Voltage=5V, Test Current=5mA, Case/Package=0603, China RoHS=Compliant, Depth=800µm, Dominant Wavelength=594.5nm, Harmonized Tariff Schedule (HTS) Code=8541.40.20.00, Height=350µm, Illumination Color=Yellow, Introduction Date=2007-04-09, Lead Free="Lead Free", Length=1.6mm, Lens Style="Colorless, Diffused, Rectangular", Lens Transparency=Clear, Lifecycle Status=Production, Luminous Intensity=26.05mcd, Mounting Technology="Surface Mount", Number of Circuits=1, Number of Elements=1, Number of LEDs=1, Number of Terminals=2, Peak Wavelength=591nm, Pins=2, Radiation Hardening=No, REACH SVHC=Yes, RoHS=Compliant, Schedule B="8541402000, 8541402000", Shape=Rectangular, Terminal Pitch=1.5mm, Viewing Angle=130°, Wavelength=594.5nm, Width=800µm
D29 D32: library part CMP-0303-00003-3, "DIODE SCHOTTKY 40V 1A SOD123", Average Rectified Current=1A, Capacitance=110pF, Case/Package=SOD-123-2, Forward Voltage=450mV, Max Forward Surge Current (Ifsm)=25A, Max Operating Temperature=125°C, Max Power Dissipation=450mW, Max Repetitive Reverse Voltage (Vrrm)=40V, Min Operating Temperature=-65°C, Package Quantity=3000, Peak Reverse Current=50uA, Contact Plating=Tin, Current Rating=1A, Element Configuration=Single, Forward Current=1A, Height=1.25mm, Lead Free="Lead Free", Length=2.85mm, Max Reverse Voltage (DC)=40V, Number of Pins=2, Output Current=1A, Packaging="Tape and Reel", Peak Non-Repetitive Surge Current=25A, Polarity=Standard, Radiation Hardening=No, REACH SVHC="No SVHC", Termination=SMD/SMT, Voltage Rating (DC)=40V, Weight=0.000353oz, Width=1.7mm
D31: library part CMP-1060-00319-1, "Zener Voltage Regulator, 500 mW, 2-Pin SOD-123, Pb-Free, Tape and Reel", Manufacturer="On Semiconductor", ComponentLink1Description="Manufacturer URL", ComponentLink1URL=http://www.onsemi.com/, ComponentLink2Description=Datasheet, ComponentLink2URL=http://www.onsemi.cn/pub_link/Collateral/MMSZ5221BT1-D.PDF, ComponentLink3Description="Package Specification", ComponentLink3URL=http://www.onsemi.com/pub_link/Collateral/425-04.PDF, DatasheetVersion="Rev. 12", Mounting Technology="Surface Mount", P Max (W)=0.5, PackageDescription="2-Pin SOD, Body 1.6 x 2.69 mm", PackageReference=SOD-123-2-425-04, PackageVersion="Rev. G, 10/2009", Packing="Tape and Reel", PartNumber=SZMMSZ5255BT1G, RoHS=Pb-Free, VZ Typ (V)=28
D33: library part CMP-1060-00485-1, "Zener Voltage Regulator, 500 mW, 2-Pin SOD-123, Pb-Free, Tape and Reel", Manufacturer="On Semiconductor", ComponentLink1Description="Manufacturer URL", ComponentLink1URL=http://www.onsemi.com/, ComponentLink2Description=Datasheet, ComponentLink2URL=http://www.onsemi.cn/pub_link/Collateral/MMSZ5221BT1-D.PDF, ComponentLink3Description="Package Specification", ComponentLink3URL=http://www.onsemi.com/pub_link/Collateral/425-04.PDF, DatasheetVersion="Rev. 12", Mounting Technology="Surface Mount", P Max (W)=0.5, PackageDescription="2-Pin SOD, Body 1.6 x 2.69 mm", PackageReference=SOD-123-2-425-04, PackageVersion="Rev. G, 10/2009", Packing="Tape and Reel", PartNumber=SZMMSZ5244BT1G, RoHS=Pb-Free, VZ Typ (V)=14
D34: "TVS Diode (Bi-directional)", Manufacturer_Name="Texas Instruments", Mouser Part Number=595-ESD501DPYR, Arrow Part Number=ESD501DPYR, Arrow Price/Stock=https://www.arrow.com/en/products/esd501dpyr/texas-instruments?utm_currency=USD&region=nac, Datasheet Link=https://www.ti.com/lit/ds/symlink/esd501.pdf?ts=1738328273013&ref_url=https%253A%252F%252Fwww.mouser.ph%252, Height=0.45mm, Manufacturer_Part_Number=ESD501DPYR, Mouser Price/Stock=https://www.mouser.co.uk/ProductDetail/Texas-Instruments/ESD501DPYR?qs=a2MtRaTmNORm212mp2T0lg%3D%3D
D35 U9: library part CMP-004-00048-1, "IP4234CZ6 Series 4 Channel Single USB 2.0 ESD Protection Surface Mount - TSOP-6", Case/Package=TSOP, Max Operating Temperature=85°C, Min Operating Temperature=-40°C, Mounting Technology="Surface Mount", Pins=6
D42A D42B: "Integrated Circuit", Manufacturer_Name="Texas Instruments", Mouser Part Number=595-PCA9306DCTT, Arrow Part Number=PCA9306DCTT, Arrow Price/Stock=https://www.arrow.com/en/products/pca9306dctt/texas-instruments?utm_currency=USD&region=nac, Datasheet Link=http://www.ti.com/lit/gpn/pca9306, Height=1.3mm, Manufacturer_Part_Number=PCA9306DCTT, Mouser Price/Stock=https://www.mouser.co.uk/ProductDetail/Texas-Instruments/PCA9306DCTT?qs=wgAEGBTxy7mcoWDi%252ByJu0w%3D%3D
D43A D43B D44A D44B: library part CMP-004-00060-1, "ESD5B5.0S Series 5.8 V 50 W 32 pF SMT ESD Protection Diode - SOD-523", Breakdown Voltage=6.8V, Case/Package=SOD-523-2, Forward Voltage=900mV, Leakage Current=1µA, Manufacturer Lifecycle Status=ACTIVE, Max Breakdown Voltage=7.8V, Max Operating Temperature=150°C, Max Power Dissipation=200mW, Min Breakdown Voltage=5.8V, Min Operating Temperature=-55°C, Operating Supply Voltage=5V, Peak Pulse Current=30A, Peak Pulse Power=50W, Power Line Protection=No, Test Current=1mA, China RoHS=Compliant, Composition=Zener, Contact Plating=Tin, Country of Origin="Mainland China", Depth=800µm, Direction=Bidirectional, Element Configuration=Single, ESD Protection=Yes, Export Control Classification Number (ECCN) Code=EAR99, Halogen Free="Halogen Free", Harmonized Tariff Schedule (HTS) Code=8541.10.00.50, Height=700µm, Introduction Date=2006-11-08, Lead Free="Lead Free", Length=1.2mm, Lifecycle Status=Production, Max Reverse Leakage Current=1µA, Number of Bidirectional Channels=1, Number Of Channels=1, Number of Elements=1, Number of Lines=1, Number of Terminals=2, Packaging="Tape and Reel", Peak Reverse Current=1µA, Pins=2, Polarity=Bidirectional, Power Dissipation=50W, Radiation Hardening=No, REACH SVHC=Yes, Reverse Standoff Voltage=5V, RoHS=Compliant, Schedule B="8536300000, 8536300000", Termination=SMD/SMT, Width=900µm, Working Voltage=5V